# Altium PCB FPGA_PCB.PcbDoc (part 2 of 2) (continued)
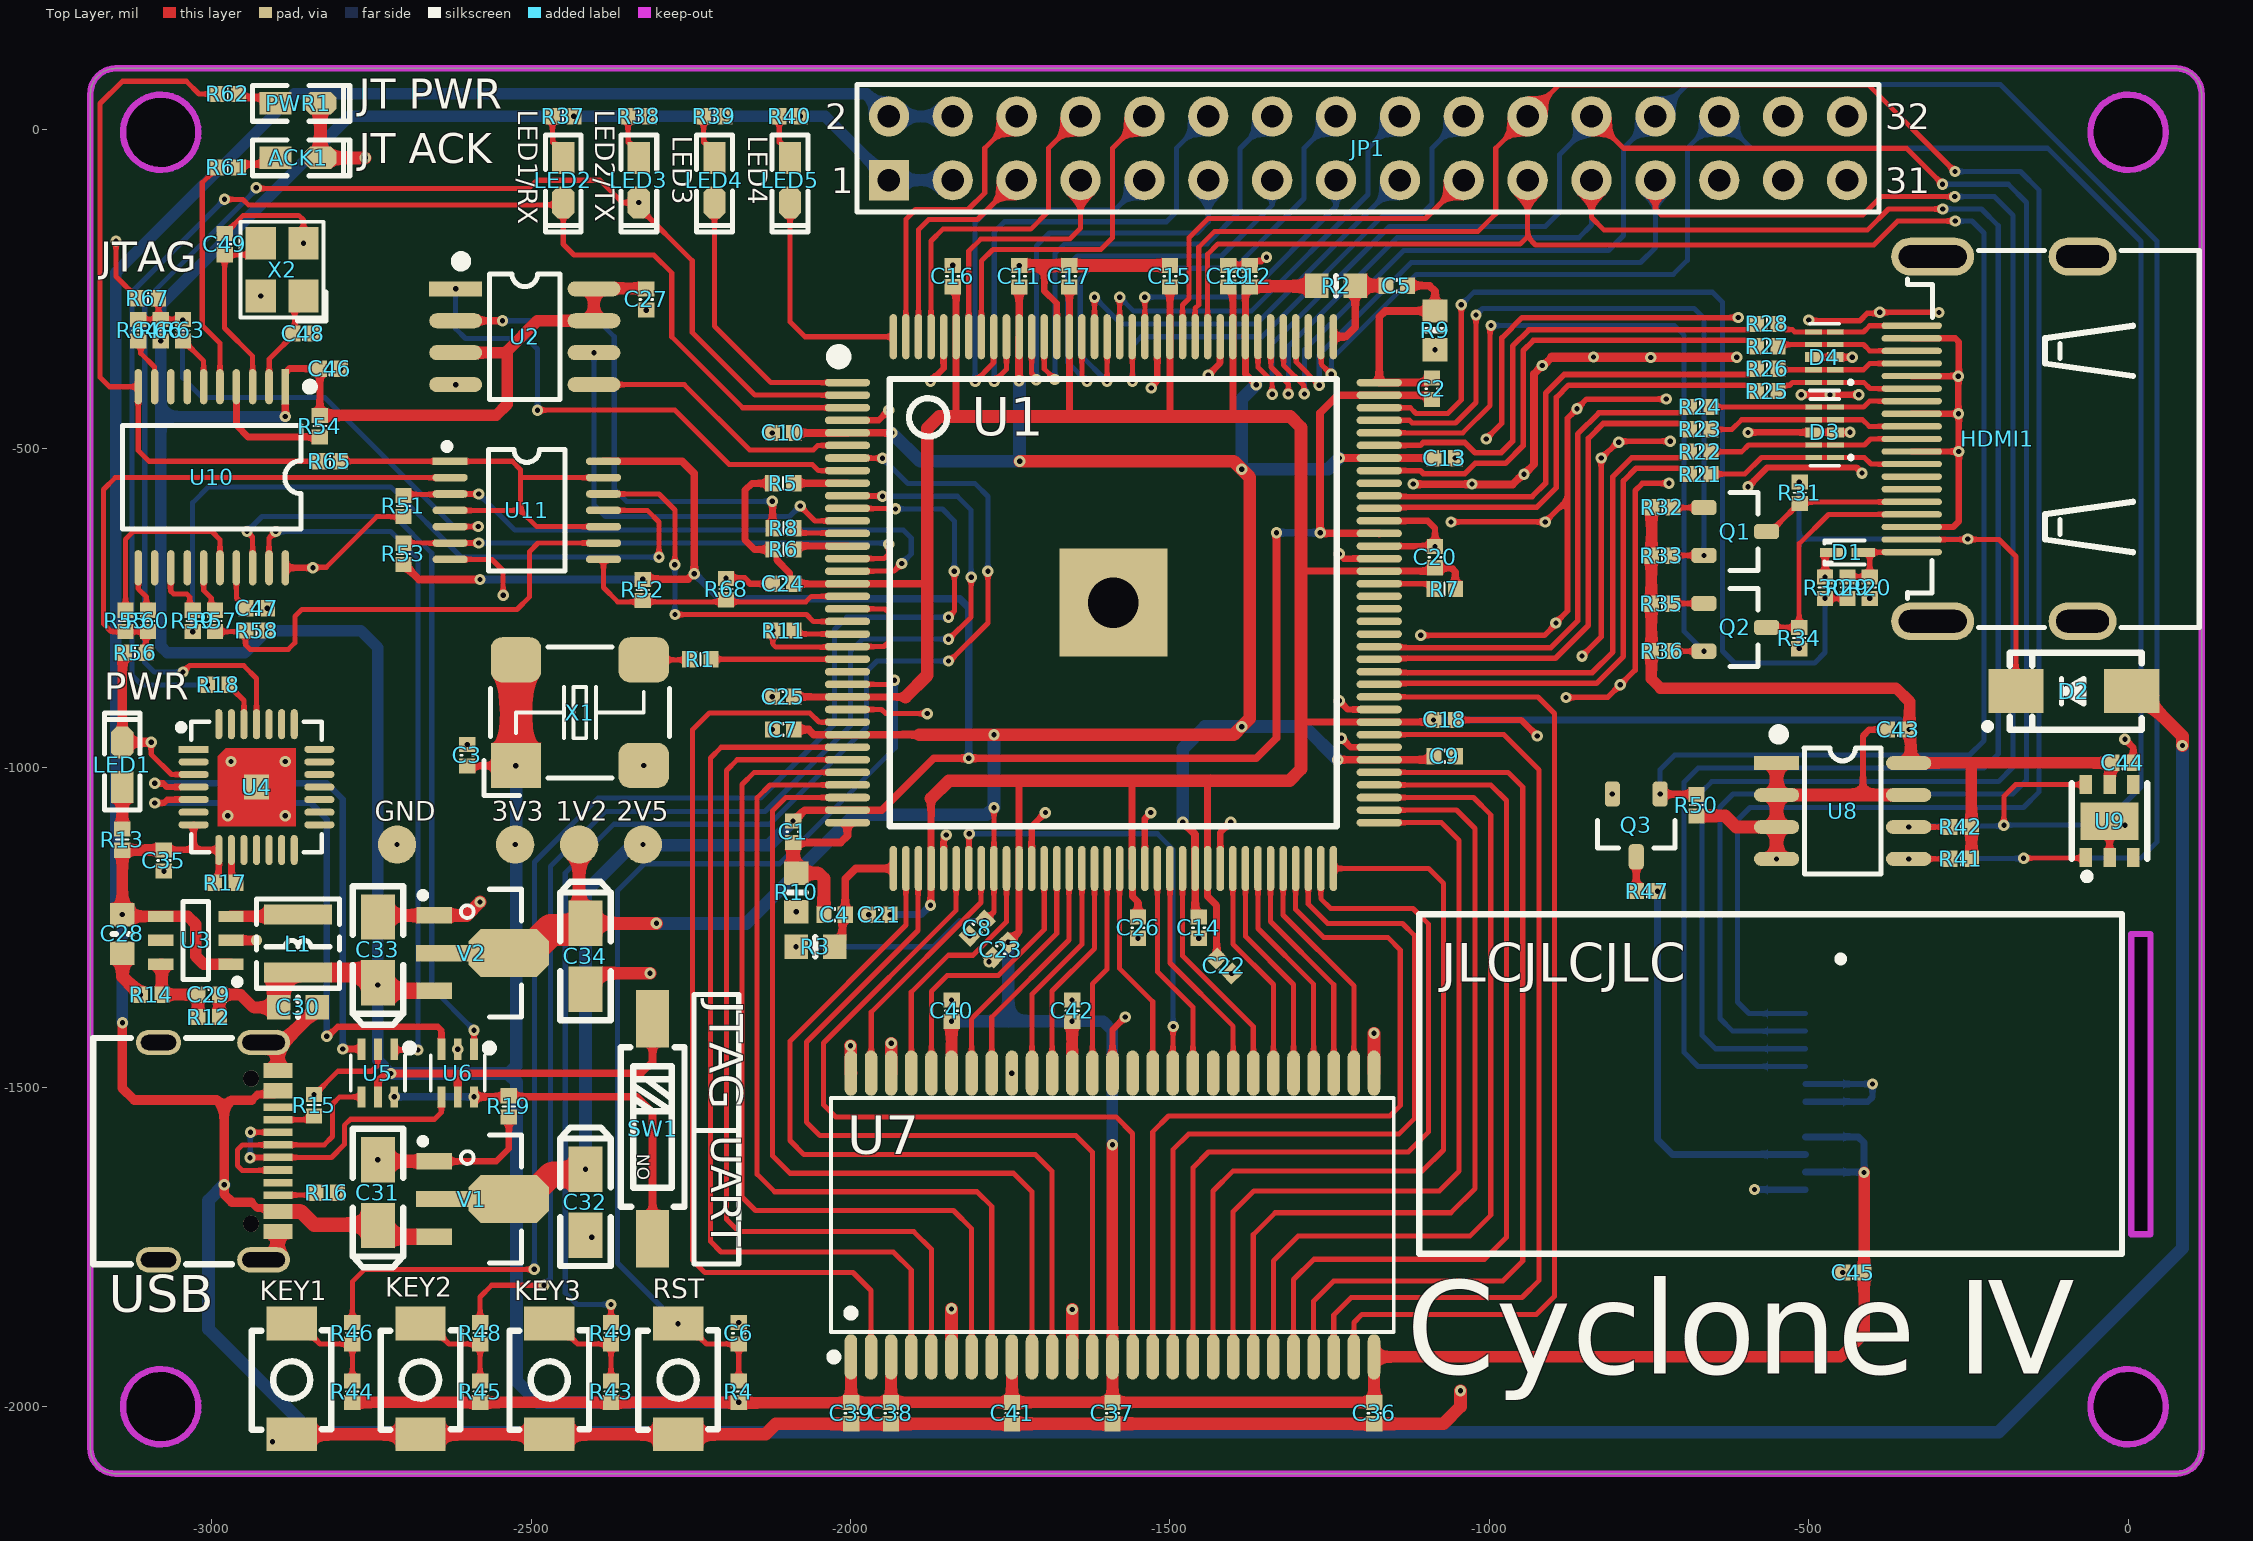
[diagram p0: Top Layer view]
## Nets (pads, with @x,y where several pads share a name; then routed paths per layer and width w, separated by ;. In a path a pad name is that pad's centre, name@x,y a point inside that pad or via, vN(x,y) a via of type N, cw(c..) or ccw(c..) an arc to the next point about the centre after c; other vN are vias at no path point) (continued)
  Top Layer w8: U11.12@-2386.75,-571.2 -2300.1,-571.2 -2275,-596.31 -2275,-681.69 v1(-2275.13,-681.82) ; v1(-2275,-760) -2069.03,-760 -2058.24,-770.79 U1.20@-2004.84,-770.79
  Bottom Layer w8: v1(-2275.13,-681.82) -2275.07,-681.89 -2275.07,-759.93 v1(-2275,-760)
JTAG_TMS: R52.1 R68.1 U1.18 U11.8 | length 438.9
  Top Layer w8: U11.8@-2386.75,-673.57 -2386.75,-717.75 -2364.5,-740 -2325,-740 -2305,-740 -2270,-740 -2070,-740 -2061.42,-731.42 U1.18@-2004.84,-731.42
LEDK: LCD1.11 R47.2 | length 629.7
  Bottom Layer w11: v1(-736.64,-1193.25) -736.64,-1581.58 -713.1,-1605.12 LCD1.11@-505,-1605.12
nCE: R11.1 U1.21 | length 83.6
  Top Layer w8: R11.1@-2088.27,-790 -2087.8,-790.47 U1.21@-2004.84,-790.47
nCONFIG: R6.2 U1.14 | length 83.5
  Top Layer w11: R6.2@-2088.08,-652.1 -2087.66,-652.52 -2005,-652.52 U1.14@-2004.84,-652.68
NetACK1_1: ACK1.1 R61.1 | length 64.5
  Top Layer w11: R61.1@-2958.27,-60 -2953.11,-54.85 -2909.85,-54.85 ACK1.1@-2900,-45
NetC4_2: C4.2 R3.2 U1.37 | length 194.9
  Top Layer w12: R3.2@-2024.68,-1280 -2012.72,-1268.04 -2012.72,-1234.45 C4.2@-2008.27,-1230 -2008.27,-1173.9 -1991.89,-1157.52 U1.37@-1933.07,-1157.52
NetC5_2: C5.2 R2.2 U1.109 | length 160.2
  Top Layer w8: R2.2@-1210,-240.32 R2.2@-1205.31,-245
  Top Layer w12: U1.109@-1244.09,-325 -1225,-325 -1210,-310 R2.2@-1210,-240.32
  Top Layer w20: R2.2@-1205.31,-245 C5.2@-1161.73,-245
NetC29_1: C29.1 R12.1 R14.2 U3.6 | length 140.8
  Top Layer w18: U3.6@-3080,-1307.4 -3078.41,-1307.4 -3078.27,-1307.54 R14.2@-3078.27,-1355 C29.1@-3021.73,-1355 R12.1@-3021.73,-1390
NetC47_2: C47.2 U10.17 | length 69.4
  Top Layer w8: U10.17@-2961.61,-686.73 -2961.61,-734.13 -2946.73,-749.02 C47.2@-2946.73,-750
NetKEY1_2: KEY1.2 R44.1 R46.1 | length 166.2
  Top Layer w8: KEY1.2@-2875,-1870 -2862.2,-1870 -2830.47,-1901.73 R46.1@-2780,-1901.73 R44.1@-2780,-1959.83
NetKEY2_2: KEY2.2 R45.1 R48.1 | length 164.6
  Top Layer w8: KEY2.2@-2673.33,-1870 -2660.54,-1870 -2628.81,-1901.73 R48.1@-2580,-1901.73 R45.1@-2580,-1959.83
NetKEY3_2: KEY3.2 R43.2 R49.1 | length 167.9
  Top Layer w8: KEY3.2@-2471.67,-1870 -2458.87,-1870 -2427.14,-1901.73 R49.1@-2375,-1901.73 R43.2@-2375,-1959.83
NetL1_2: L1.2 U3.3 | length 106.2
  Top Layer w18: U3.3@-2970,-1232.6 -2969.86,-1232.46 -2867.73,-1232.46 L1.2@-2865,-1229.72
NetLED1_1: LED1.1 R13.1 | length 65.6
  Top Layer w18: LED1.1@-3140.26,-1030 -3140.13,-1030.12 -3140.13,-1095.38 R13.1@-3140,-1095.51
NetLED2_1: LED2.1 R37.1 | length 72
  Top Layer w8: R37.1@-2466.73,20 -2466.73,-20.52 -2449.74,-37.5 LED2.1@-2449.74,-45
NetLED3_1: LED3.1 R38.1 | length 72
  Top Layer w8: R38.1@-2348.4,20 -2348.4,-20.52 -2331.41,-37.5 LED3.1@-2331.41,-45
NetLED4_1: LED4.1 R39.1 | length 72
  Top Layer w8: R39.1@-2230.07,20 -2230.07,-20.51 -2213.08,-37.5 LED4.1@-2213.08,-45
NetLED5_1: LED5.1 R40.1 | length 72
  Top Layer w8: R40.1@-2111.73,20 -2111.73,-20.51 -2094.74,-37.5 LED5.1@-2094.74,-45
NetPWR1_1: PWR1.1 R62.1 | length 64.4
  Top Layer w11: R62.1@-2958.27,55 -2952.75,49.48 -2909.22,49.48 PWR1.1@-2900,40.26
NetQ1_1: Q1.1 R32.1 | length 48.4
  Top Layer w8: R32.1@-712.25,-592.1 -711.75,-592.6 Q1.1@-664.06,-592.6
NetQ2_1: Q2.1 R35.1 | length 49.1
  Top Layer w8: R35.1@-712.99,-743.01 -712.58,-742.6 Q2.1@-664.06,-742.6
NetQ3_3: Q3.3 R47.1 | length 53.9
  Top Layer w11: Q3.3@-770,-1139.06 -769.9,-1139.15 -769.9,-1192.75 R47.1@-769.81,-1192.84
NetR1_1: R1.1 X1.3 | length 72.4
  Top Layer w8: X1.3@-2323.77,-830.83 -2252.56,-830.83 R1.1@-2251.73,-830
NetR5_2: R5.2 U1.9 | length 84.3
  Top Layer w11: R5.2@-2089.02,-554.6 -2088.82,-554.41 -2005,-554.41 U1.9@-2004.84,-554.25
NetR8_2: R8.2 U2.2 | length 795.1
  Top Layer w11: U2.2@-2618.27,-300 v1(-2545,-300) ; v1(-2122.62,-582.67) -2122.18,-583.11 -2122.18,-624.56 R8.2@-2121.73,-625
  Bottom Layer w8: v1(-2545,-300) -2395,-300 -2370,-325 -2370,-563.42 -2350.76,-582.67 v1(-2122.62,-582.67)
NetR15_2: R15.2 USB.A5 | length 59.1
  Top Layer w8: USB.A5@-2896.59,-1550.79 -2845.98,-1550.79 R15.2@-2840,-1544.81
NetR16_1: R16.1 USB.B5 | length 61.3
  Top Layer w8: USB.B5@-2896.44,-1668.75 -2840.48,-1668.75 R16.1@-2836.73,-1665
NetR17_1: R17.1 U4.9 | length 54.1
  Top Layer w10: U4.9@-2969.37,-1128.43 -2969.17,-1128.62 -2969.17,-1174.09 R17.1@-2963.27,-1180
NetR18_1: R18.1 U4.26 | length 71.3
  Top Layer w8: R18.1@-2973.27,-870 -2973.27,-870.98 -2949.69,-894.57 U4.26@-2949.69,-931.57
NetR54_2: R54.2 U10.4 | length 198.6
  Top Layer w11: U10.4@-2961.61,-403.27 -2961.61,-463.39 -2943.27,-481.73 R54.2@-2830.75,-481.73
NetR55_1: R55.1 U10.16 | length 313.2
  Top Layer w8: R55.1@-3135,-753.27 -3135,-642.19 -3122.81,-630 -2999.89,-630 -2987.2,-642.68 U10.16@-2987.2,-686.73
NetR57_1: R57.1 U10.15 | length 73.9
  Top Layer w8: U10.15@-3012.8,-686.73 -3012.8,-722.2 -3000.86,-734.14 -3000.86,-747.41 R57.1@-2995,-753.27
NetR59_1: R59.1 U10.13 | length 93.2
  Top Layer w8: U10.13@-3063.98,-686.73 -3064.71,-687.46 -3064.71,-722.9 -3059.68,-727.93 -3039.23,-727.93 -3034.54,-732.61 -3034.54,-748.72 R59.1@-3030,-753.27
NetR60_1: R60.1 U10.11 | length 72.8
  Top Layer w8: U10.11@-3115.16,-686.73 -3115,-686.89 -3115,-720 -3102.37,-732.63 -3102.37,-750.9 R60.1@-3100,-753.27
OE: R65.1 U11.1 U11.4 U11.10 U11.13 | length 731.5
  Top Layer w8: R65.1@-2798.25,-520.02 U11.1@-2626.91,-520.02 -2529.73,-520.02 -2516.54,-533.2 -2516.54,-545 ; U11.4@-2626.62,-597.08 -2516.54,-597.08 ; U11.10@-2386.75,-622.38 -2491.24,-622.38 -2516.54,-597.08 ; U11.13@-2386.75,-545.61 -2515.93,-545.61 -2516.54,-545 ; -2516.54,-597.08 -2516.54,-545
OSC1: C48.2 U10.2 X2.1 | length 165.1
  Top Layer w8: U10.2@-2910.43,-403.27 -2910,-402.83 -2910,-360 ; -2910,-359.71 -2881.08,-330.79 -2881.08,-328.8 -2874.63,-322.34 -2872.63,-322.34 -2870.29,-320 -2870.29,-275.09 X2.1@-2856.54,-261.34
OSC2: C49.2 U10.3 X2.3 | length 288.8
  Top Layer w8: U10.3@-2936.02,-403.27 -2936.02,-355.39 -2980,-311.42 C49.2@-2980,-196.73 -2941.54,-196.73 X2.3@-2923.46,-178.66
PIC_USB_DN: U6.1 U10.18 | length 1187.3
  Top Layer w8: v1(-2945,-630) -2936.02,-638.98 U10.18@-2936.02,-686.73 ; U6.1@-2589.41,-1440.55 v1(-2589.41,-1410.59)
  Bottom Layer w8: v1(-2945,-630) -2921.51,-606.51 -2713.11,-606.51 -2655.64,-663.98 -2655.64,-1344.36 v1(-2589.41,-1410.59)
PIC_USB_DP: U5.1 U10.19 | length 1107.6
  Top Layer w8: U10.19@-2910.43,-686.73 -2910.43,-640.43 v1(-2900,-630) ; U5.1@-2714.41,-1440.55 -2713.39,-1441.57 v1(-2677.5,-1441.57)
  Bottom Layer w8: v1(-2900,-630) -2719.97,-630 -2677.5,-672.47 v1(-2677.5,-1441.57)
RB7: R62.2 R65.2 U10.10 | length 1090.1
  Top Layer w8: R62.2@-2992.4,55 -3020,55 -3040,75 -3140,75 -3175,40 -3175,-388.62 -3160.35,-403.27 U10.10@-3115.16,-403.27 -3115.16,-503.03 -3098.19,-520 R65.2@-2831.73,-520
RC4: R63.1 U10.6 | length 85.5
  Top Layer w8: R63.1@-3045,-331.73 -3044.02,-331.73 -3012.8,-362.95 U10.6@-3012.8,-403.27
RC7: R64.1 U10.9 | length 82.1
  Top Layer w8: R64.1@-3115,-331.73 -3111.19,-335.54 -3111.19,-350.86 -3089.66,-372.39 -3089.66,-403.17 U10.9@-3089.57,-403.27
SGM_SEL: R19.2 SW1.1 U5.6 U6.6 | length 612
  Top Layer w12: v1(-2589.41,-1515) -2335,-1515 -2310,-1540 SW1.1@-2310,-1737.24
  Bottom Layer w12: v1(-2714.41,-1515) v1(-2589.41,-1515)
USB_5V: C28.1 C31.1 C35.1 D2.1 JP1.2 JP1.4 R13.2 R17.2 U3.1 U3.4 U4.7 U4.8 USB.A4B9 USB.B4A9 V1.3 | length 8472.6
  Top Layer w10: C35.1@-3074.77,-1128.43 -3028.43,-1128.43 ; U4.7@-3028.43,-1089.06 -3028.43,-1128.43 ; R17.2@-2996.73,-1180 -2996.73,-1179.02 -2989.06,-1171.34 U4.8@-2989.06,-1128.43 -3028.43,-1128.43
  Top Layer w12: -2938.23,-1679.92 -2929.48,-1688.68 -2902.4,-1688.68 USB.B4A9@-2896.59,-1694.49 ; -2937.28,-1520.23 -2928.37,-1511.32 -2902.4,-1511.32 USB.A4B9@-2896.59,-1505.51
  Top Layer w15: v1(-3139.75,-1398.91) -3140.27,-1399.43 -3140.27,-1501.11 -3121.41,-1519.98 -2992.15,-1519.98 -2980.78,-1531.35 ; -2938.23,-1679.92 -2968.33,-1679.92 -2980.78,-1667.47 -2980.78,-1531.35 ; -2937.28,-1520.23 -2969.66,-1520.23 -2980.78,-1531.35
  Top Layer w18: R13.2@-3139.22,-1129.11 R13.2@-3140,-1129.89 ; C35.1@-3075,-1128.27 -3075.35,-1128.62 -3139.65,-1128.62 R13.2@-3140,-1128.98 R13.2@-3140,-1129.89 ; U3.1@-2970,-1307.4 -3012.6,-1307.4 -3025,-1295 -3025,-1245 -3037.4,-1232.6 U3.4@-3080,-1232.6 -3080.14,-1232.46 -3137.23,-1232.46 v1(-3140,-1229.68) R13.2@-3140,-1129.89 ; C31.1@-2757.57,-1715 -2738.52,-1734.06 C31.1@-2737.52,-1734.06
  Top Layer w20: D2.1@5.55,-880 14.41,-880 85,-950.59 v1(85,-965)
  Top Layer w23: USB.B4A9@-2896.59,-1694.49 -2896.28,-1694.8 -2859.74,-1694.8 -2839.54,-1715 C31.1@-2757.57,-1715
  Top Layer w25: C31.1@-2737.52,-1734.06 V1.3@-2661.87,-1734.06
  Bottom Layer w18: v1(-3139.75,-1398.91) -3140,-1398.66 v1(-3140,-1229.68) -3150.74,-1218.94 -3150.74,-225.03 -2870.71,55 -1975,55 JP1.2@-1940,20 JP1.4@-1840,20
  Bottom Layer w20: v1(-2980.73,-1652.59) -3005.19,-1677.06 -3005.19,-1878.68 -2843.87,-2040 -203.04,-2040 85,-1751.96 v1(85,-965)
USB_DN: U6.4 USB.A7 USB.B7 | length 453.6
  Top Layer w8: v1(-2940.16,-1610.16) -2940,-1610 -2896.75,-1610 USB.A7@-2896.59,-1609.84 -2812.67,-1609.84 -2792.51,-1589.69 -2792.51,-1559.57 -2782.95,-1550 -2651.53,-1550 -2640.57,-1539.05 U6.4@-2640.59,-1515 ; v1(-2939.53,-1570.47) USB.B7@-2896.59,-1570.47
  Bottom Layer w8: v1(-2940.16,-1610.16) -2939.85,-1609.84 -2939.85,-1570.79 v1(-2939.53,-1570.47)
USB_DP: U5.4 USB.A6 USB.B6 | length 349.8
  Top Layer w8: USB.B6@-2896.59,-1629.53 -2897.06,-1630 -2952.63,-1630 -2960,-1622.63 -2960,-1598.15 -2952.01,-1590.16 USB.A6@-2896.59,-1590.16 -2824.03,-1590.16 -2811.05,-1577.18 -2811.05,-1526.33 -2799.72,-1515 U5.4@-2765.59,-1515
VCC_1V2: C7.2 C8.2 C9.2 C10.2 C11.2 C12.2 C13.2 C14.2 C34.1 pad.4 R2.1 R3.1 U1.5 U1.29 U1.45 U1.61 U1.78 U1.102 U1.116 U1.134 V2.2 | length 5141
  Top Layer w8: C8.2@-1793.17,-1243.17 -1775.59,-1225.59 U1.45@-1775.59,-1157.52 -1775.54,-1157.47 v1(-1775.49,-1062.26) v1(-1775.49,-1062.26)
  Top Layer w11: U1.116@-1381.98,-324.91 C12.2@-1381.98,-247.17 ; U1.116@-1381.89,-325 -1381.89,-383.11 v1(-1365,-400)
  Top Layer w12: C7.2@-2089.02,-940 -2065.48,-940 -2057.53,-947.95 U1.29@-2004.84,-947.95 -1892.05,-947.95 ; C10.2@-2089.02,-475.7 -2088.92,-475.61 -2004.94,-475.61 U1.5@-2004.84,-475.51 v1(-1935.51,-475.51) ; v1(-1736.22,-393.78) U1.134@-1736.22,-325 -1736.13,-324.91 -1736.13,-246.98 C11.2@-1735.88,-246.73 ; v1(-1480,-1085) -1460.72,-1104.28 -1460.72,-1157.43 U1.61@-1460.63,-1157.52 -1460.54,-1157.61 -1460.54,-1227.35 C14.2@-1457.75,-1230.14 ; U1.116@-1381.98,-324.91 U1.116@-1381.89,-325 ; v1(-1237.32,-987.32) U1.78@-1172.32,-987.32 -1172.23,-987.23 -1091.97,-987.23 C9.2@-1086.73,-981.99 ; v1(-1235,-515) -1234.88,-514.88 U1.102@-1172.32,-514.88 U1.102@-1172.32,-514.88 -1086.79,-514.94 C13.2@-1086.73,-515
  Top Layer w20: pad.4@-2425,-1120 -2425,-1228.43 -2413.43,-1240 -2410,-1243.43 v1(-2303.99,-1243.43) ; -1892.05,-947.95 -1775.5,-947.95 v1(-1775.38,-948.07) -1400.26,-948.07 v1(-1387.57,-935.38) -1375,-922.81 -1375,-545 v1(-1387.5,-532.5) -1400,-520 v1(-1735,-520) ; C12.2@-1375,-246.86 -1374.07,-245.93 -1271.25,-245.93 R2.1@-1270.31,-245
  Top Layer w50: V2.2@-2535,-1290 -2505.35,-1290 -2469.21,-1253.86 -2416.57,-1253.86 -2415,-1252.28 C34.1@-2415,-1243.43 -2415,-1241.57 C34.1@-2413.43,-1240
  Bottom Layer w8: v1(-2085.31,-1280) -1870.11,-1280 -1829.39,-1239.28 v1(-1789.8,-1239.28)
  Bottom Layer w20: v1(-2303.99,-1243.43) -2163.43,-1243.43 -1993.47,-1073.47 -1786.7,-1073.47 v1(-1775.49,-1062.26) -1775.49,-948.18 v1(-1775.38,-948.07) ; v1(-1935.51,-475.51) -1891.02,-520 v1(-1735,-520) -1735.61,-519.39 -1735.61,-394.39 v1(-1736.22,-393.78) ; v1(-1480,-1085) -1480,-970 -1445.38,-935.38 v1(-1387.57,-935.38) -1289.26,-935.38 v1(-1237.32,-987.32) ; v1(-1365,-400) -1387.5,-422.5 v1(-1387.5,-532.5) -1252.5,-532.5 v1(-1235,-515)
VCC_2V5: C1.2 C2.2 C32.1 pad.5 R52.2 R53.2 U1.35 U1.96 U1.107 U11.14 V1.2 | length 4081.6
  Top Layer w8: v1(-2090,-1083.27) C1.2@-2089.02,-1083.27
  Top Layer w11: U1.107@-1172.17,-416.61 -1095.12,-416.61 C2.2@-1090,-421.73
  Top Layer w12: R53.2@-2700,-681.73 -2699.02,-681.73 -2675.75,-705 v1(-2580,-705) ; U11.14@-2386.75,-520.02 -2263.86,-520.02 -2244.71,-539.17 v1(-2244.71,-695.89) -2245.72,-695.89 -2254.6,-704.77 v1(-2325.17,-704.77) ; C1.2@-2089.02,-1083.27 -2071.81,-1066.06 U1.35@-2004.84,-1066.06 -1951.06,-1066.06 -1870,-985 v1(-1815,-985) -1365,-985 -1333.29,-953.29 v1(-1333.29,-631.7) ; U1.96@-1172.32,-632.99 -1172.42,-632.9 -1263.77,-632.9 v1(-1264.82,-631.85) -1265,-631.67 -1265,-444.31 -1237.3,-416.61 U1.107@-1172.17,-416.61
  Top Layer w40: V1.2@-2535,-1675 -2506.87,-1675 -2468.58,-1636.71 -2416.57,-1636.71 -2415,-1635.13 v1(-2415,-1628.43)
  Bottom Layer w12: v1(-2580,-705) v1@-2325,-705 ; v1(-2244.71,-695.89) -2244.11,-695.89 -2205,-735 -1829.09,-735 -1815,-749.09 v1(-1815,-985) ; v1(-1333.29,-631.7) -1333.21,-631.77 -1264.9,-631.77 v1(-1264.82,-631.85)
  Bottom Layer w20: v1(-2415,-1628.43) -2415,-1193.85 -2342.44,-1121.29 -2128.02,-1121.29 v1(-2090,-1083.27)
  other v1: -2325,-1120
VCC_3V3: C3.2 C15.2 C16.2 C17.2 C18.2 C19.2 C20.2 C21.2 C22.2 C23.2 C24.2 C25.2 C26.2 C27.2 C29.2 C30.2 C33.1 C36.2 C37.2 C38.2 C39.2 C40.2 C41.2 C42.2 C43.2 C44.2 C45.2 C46.1 JP1.1 JP1.3 L1.1 LCD1.10 LCD1.12 pad.3 R4.2 R5.1 R6.1 R7.1 R12.2 R32.2 R33.2 R35.2 R36.2 R37.2 R38.2 R39.2 R40.2 R41.1 R42.1 R43.1 R44.2 R45.2 R54.1 R58.2 R66.2 SW1.2 U1.17 U1.26 U1.40 U1.47 U1.56 U1.62 U1.81 U1.93 U1.117 U1.122 U1.130 U1.139 U2.3 U2.7 U2.8 U5.5 U6.5 U7.1 U7.3 U7.9 U7.14 U7.27 U7.43 U7.49 U8.8 U9.5 U10.1 V2.3 X1.1 X1.4 | length 18334.6
  Top Layer w11: v1(-2885,-450) -2884.84,-449.84 U10.1@-2884.84,-403.27 -2884.84,-381.61 -2878.23,-375 C46.1@-2831.73,-375 -2830.75,-375.98 R54.1@-2830.75,-448.27 ; C3.2@-2600,-996.73 v1(-2524.32,-996.73) ; R5.1@-2122.48,-554.6 -2154.6,-554.6 -2165,-565 -2165,-643.28 -2150.27,-658 R6.1@-2121.73,-658 -2115.42,-664.32 -2115.42,-674.87 -2095.33,-694.96 -2095.33,-705.48 C24.2@-2089.02,-711.79 ; C25.2@-2088.98,-888.86 U1.26@-2004.88,-888.86 ; C24.2@-2089.02,-711.79 -2004.87,-711.76 -1881.73,-711.73 -1880,-710 ; U1.26@-2004.84,-888.9 -1913.81,-888.9 ; v1(-1875,-1215) -1874.17,-1214.17 -1874.17,-1157.67 U1.40@-1874.02,-1157.52 -1874.02,-1047.89 ; -1835,-450 -1834.65,-449.65 U1.139@-1834.65,-325 -1834.8,-324.84 -1834.8,-247.06 C16.2@-1835,-246.86 ; v1(-1753.17,-1273.17) -1736.22,-1256.22 U1.47@-1736.22,-1157.52 -1736.22,-1021.22 -1735,-1020 ; U1.130@-1657.48,-325 -1657.48,-447.52 -1655,-450 ; U1.130@-1657.48,-325 C17.2@-1657.46,-246.89 ; -1560,-1020 -1559.06,-1020.94 U1.56@-1559.06,-1157.52 -1558.9,-1157.67 -1558.9,-1201.1 -1550,-1210 C26.2@-1550,-1233.27 ; -1505,-450 -1500,-445 U1.122@-1500,-325 C15.2@-1500,-246.86 ; -1436.4,-1020 -1440.94,-1024.55 U1.62@-1440.94,-1157.52 -1440.94,-1200.97 -1426.83,-1215.09 -1426.83,-1287.85 -1426.14,-1288.55 -1426.83,-1289.24 C22.2@-1426.83,-1298.17 ; C19.2@-1410,-246.73 -1409.02,-246.73 -1401.57,-254.17 U1.117@-1401.57,-325 -1401.57,-448.43 -1400,-450 ; -1294.64,-930 -1292.91,-928.27 U1.81@-1172.32,-928.27 -1172.17,-928.11 -1089.84,-928.11 C18.2@-1086.73,-925 ; -1294.64,-690 -1292.59,-692.05 U1.93@-1172.32,-692.05 -1172.23,-691.95 -1086.83,-691.95 C20.2@-1086.73,-691.85 ; C20.2@-1085,-686.73 -1059.71,-686.73 -1053.27,-693.18 R7.1@-1053.27,-720 ; v1(-413.35,-1633.3) v1(-413.35,-1633.3) ; C45.2@-413.27,-1790 C45.2@-413.27,-1790
  Top Layer w12: U5.5@-2740,-1515 -2739.8,-1514.8 -2739.8,-1490.9 -2728.49,-1479.58 -2720.45,-1479.58 v1(-2719.36,-1478.49) -2616.51,-1478.49 -2615,-1480 ; U6.5@-2615,-1515 -2615,-1480 ; SW1.2@-2310,-1392.76 -2310,-1460 -2328.2,-1478.2 -2615,-1478.2 -2615,-1480
  Top Layer w18: R12.2@-2988.27,-1390 C29.2@-2988.27,-1355 -2955,-1355 -2935,-1375 C30.2@-2895.32,-1375 ; L1.1@-2895.32,-1327.02 -2888.57,-1320.28 L1.1@-2865,-1320.28 ; R54.1@-2830.75,-448.27 -2555.06,-448.27 -2537.51,-430.71 -2537.51,-347.22 ; R44.2@-2780,-1993.3 R45.2@-2580,-1993.3 R43.1@-2375,-1993.3 v1(-2175,-1993.3) ; C33.1@-2756.3,-1320.28 C33.1@-2740,-1336.57 C33.1@-2727.52,-1349.06 ; U2.3@-2618.27,-350 -2540.3,-350 -2537.51,-347.22 ; C27.2@-2320,-248.27 -2320.87,-249.13 -2400.87,-249.13 U2.8@-2401.73,-250 U2.7@-2401.73,-300 -2490.3,-300 -2537.51,-347.22 ; R4.2@-2172.58,-1994.05 C39.2@-1999.86,-1994.05 ; U7.1@-1999.29,-1922.29 -1999.29,-1993.05 C39.2@-1999.07,-1993.27 C38.2@-1936.59,-1993.27 ; U7.3@-1936.46,-1922.13 -1936.53,-1922.2 -1936.53,-1993.2 C38.2@-1936.59,-1993.27 ; U7.49@-1841.97,-1477.87 -1841.92,-1477.82 -1841.92,-1396.78 v1(-1841.87,-1396.73) ; U7.9@-1747.48,-1922.13 -1747.36,-1922.25 -1747.36,-1993.15 C41.2@-1747.25,-1993.27 ; v1(-1653.19,-1396.73) -1653.09,-1396.83 -1653.09,-1477.77 U7.43@-1652.99,-1477.87 ; v1(-1590,-1590) U7.14@-1590,-1922.13 C37.2@-1590,-1993.27 ; R36.2@-746.07,-817.09 R36.2@-746.26,-816.9 ; R32.2@-745.71,-592.1 -746.07,-592.46 -746.07,-667.7 R33.2@-746.43,-668.06 -746.43,-671.84 -746.44,-707.86 -746.46,-742.35 -746.26,-742.55 R36.2@-746.26,-816.9 ; C45.2@-413.27,-1790 v1(-413.35,-1633.3) ; C45.2@-413.27,-1790 -413.27,-1885 -450.4,-1922.13 U7.27@-1180.55,-1922.13 -1180.28,-1922.4 -1180.28,-1992.99 C36.2@-1180,-1993.27 C37.2@-1590,-1993.27 ; U8.8@-343.58,-992.5 -341.89,-992.5 U8.8@-340.2,-990.82 ; C43.2@-342.04,-939.16 -342.04,-896.38 -363.42,-875 -732.09,-875 -746.26,-860.83 R36.2@-746.26,-816.9 ; C43.2@-341.2,-940 C43.2@-340.46,-940 ; C43.2@-340.2,-940 U8.8@-340.2,-990.82 ; R41.1@-245.2,-1142.5 -245.2,-994.8 -247.82,-992.18 ; U9.5@-29.05,-1026.2 -28.2,-1025.36 C44.2@-28.2,-990.69 ; C44.2@-28.2,-995.69 -25.67,-993.16 C44.2@-25.67,-992.18 ; C44.2@-25.35,-991.85 C44.2@-25.67,-992.18 ; C38.2@-1936.59,-1993.27 C41.2@-1747.25,-1993.27 ; C41.2@-1747.25,-1993.27 C37.2@-1590,-1993.27 ; U8.8@-340.2,-990.82 -338.84,-992.18 -247.82,-992.18 ; -247.82,-992.18 C44.2@-25.67,-992.18
  Top Layer w20: v1(-2524.32,-996.73) -2523.97,-996.38 X1.1@-2523.56,-996.38 ; -1913.81,-888.9 -1880,-855.09 -1880,-710 -1880,-468.82 -1861.18,-450 -1835,-450 -1655,-450 -1505,-450 -1400,-450 -1311.69,-450 -1294.64,-467.05 -1294.64,-690 -1294.64,-930 -1294.64,-1001.85 -1312.79,-1020 -1436.4,-1020 -1560,-1020 -1735,-1020 -1846.13,-1020 -1874.02,-1047.89 ; C25.2@-2089.02,-888.83 C25.2@-2088.98,-888.86
  Top Layer w25: C33.1@-2727.52,-1349.06 V2.3@-2651.87,-1349.06
  Top Layer w30: L1.1@-2865,-1320.28 C33.1@-2756.3,-1320.28
  Top Layer w35: C30.2@-2895.32,-1375 L1.1@-2895.32,-1327.02
  Top Layer w50: X1.1@-2523.76,-996.18 X1.4@-2523.77,-830.83
  Bottom Layer w11: v1(-1938,-1229.89) -1889.89,-1229.89 v1(-1875,-1215) ; v1(-1087.26,-924.98) -357.92,-924.98 v1(-342.9,-940.01) ; LCD1.12@-505,-1632.68 -504.69,-1632.99 -413.66,-1632.99 v1(-413.35,-1633.3) -413.27,-1633.22 -413.27,-1586.73 -422.44,-1577.56 LCD1.10@-505,-1577.56
  Bottom Layer w18: v1(-2885,-450) -3080,-450 ; v1(-2719.36,-1478.49) -2740,-1457.85 -2740,-811.68 -2766.68,-785 v1(-2913.27,-785) -2948.27,-820 -3069.46,-820 -3080,-809.46 -3080,-450 ; v1@-2080,20 -2785,20 -3080,-275 v1(-3080,-331.73) -3080,-450 ; v1(-2078.27,20) -2040,20 JP1.1@-1940,-80 JP1.3@-1840,-80 ; JP1.3@-1830,-70 JP1.3@-1820,-80 ; v1(-1653.19,-1396.73) -1604.59,-1396.73 -1590,-1411.33 v1(-1590,-1590)
  Bottom Layer w20: v1(-2719.36,-1478.49) -2719.24,-1478.37 -2535.28,-1478.37 ; v1(-2524.32,-996.73) -2523.56,-997.49 -2523.56,-1466.65 -2535.28,-1478.37 ; v1(-2175,-1993.3) -2489.76,-1993.3 -2523.16,-1959.91 -2523.16,-1491.84 -2535.28,-1479.72 -2535.28,-1478.37 ; v1(-1841.87,-1396.73) -1753.17,-1396.73 ; v1(-1753.17,-1273.17) -1753.17,-1396.73 ; v1(-1653.19,-1396.73) -1753.17,-1396.73
  other v1: -2740,-1340 -2525,-1120 -2433.27,20 -2314.93,20 -2196.6,20
pads on no net: HDMI1.13 HDMI1.14 LCD1.1 LCD1.2 LCD1.9 U3.5 U4.1 U4.2 U4.6 U4.10 U4.11 U4.12 U4.13 U4.14 U4.15 U4.16 U4.17 U4.18 U4.19 U4.20 U4.21 U4.22 U4.23 U4.24 U4.27 U4.28 U7.36 U7.40 U9.3 U9.4 U10.7 U10.8 U10.12 U10.14 USB. USB.A8 USB.B8

## Polygon pours and split planes (outlines as drawn)
GND on GND01 (split plane): 81.25,74.16 84.76,72.71 87.92,70.6 90.6,67.92 92.71,64.76 94.16,61.25 94.9,57.53 94.9,55.63 94.9,-2065.63 94.9,-2067.53 94.16,-2071.25 92.71,-2074.76 90.6,-2077.92 87.92,-2080.6 84.76,-2082.71 81.25,-2084.16 77.53,-2084.9 75.63,-2084.9 -3150.63,-2084.9 -3152.53,-2084.9 -3156.25,-2084.16 -3159.76,-2082.71 -3162.92,-2080.6 -3165.6,-2077.92 -3167.71,-2074.76 -3169.16,-2071.25 -3169.9,-2067.53 -3169.9,-2065.63 -3169.9,55.63 -3169.9,57.53 -3169.16,61.25 -3167.71,64.76 -3165.6,67.92 -3162.92,70.6 -3159.76,72.71 -3156.25,74.16 -3152.53,74.9 77.53,74.9
GND on GND02 (split plane): 81.25,74.16 84.76,72.71 87.92,70.6 90.6,67.92 92.71,64.76 94.16,61.25 94.9,57.53 94.9,55.63 94.9,-2065.63 94.9,-2067.53 94.16,-2071.25 92.71,-2074.76 90.6,-2077.92 87.92,-2080.6 84.76,-2082.71 81.25,-2084.16 77.53,-2084.9 75.63,-2084.9 -3150.63,-2084.9 -3152.53,-2084.9 -3156.25,-2084.16 -3159.76,-2082.71 -3162.92,-2080.6 -3165.6,-2077.92 -3167.71,-2074.76 -3169.16,-2071.25 -3169.9,-2067.53 -3169.9,-2065.63 -3169.9,55.63 -3169.9,57.53 -3169.16,61.25 -3167.71,64.76 -3165.6,67.92 -3162.92,70.6 -3159.76,72.71 -3156.25,74.16 -3152.53,74.9 77.53,74.9

## Keep-outs
Keep-Out Layer:
  circle w10: c-3080,-5 r59.06
  circle w10: c0,-2000 r59.06
  circle w10: c0,-5 r59.06
  circle w10: c-3080,-2000 r59.06
  lines w10: -3190,-2065.63 ccw(c-3150.63,-2065.63) -3150.63,-2105 75.63,-2105 ccw(c75.63,-2065.63) 115,-2065.63 115,55.63 ccw(c75.63,55.63) 75.63,95 -3130,95 -3150.63,95 ccw(c-3150.63,55.63) -3190,55.63 -3190,-2065.63 ; 5,-1730 35,-1730 35,-1260 5,-1260 5,-1730

## Other copper
Top Layer:
  pour cut-out: -1130,-590 -845,-590 -845,-776.71 -888.29,-820 -1140,-820
  pour cut-out: -1960,-375 -1225,-375 -1225,-1100 -1955,-1100 -1960,-1095

## Silkscreen, mask and mechanical layers (free items; w line width, h text height)
Top Overlay:
  lines w8: -2245,-1567.5 -2175,-1567.5 ; -2245,-1776.39 -2245,-1355 -2175,-1355 -2175,-1776.39 -2245,-1776.39
  text "LED1/RX" at -2520,30 h30 r270
  text "LED2/TX" at -2400,30 h30 r270
  text "JT PWR" at -2770,16.11 h80
  text "LED3" at -2278.33,-10 h30 r270
  text "LED4" at -2160,-10 h30 r270
  text "JT ACK" at -2770,-68.89 h80
  text "JTAG" at -3175,-238.89 h80
  text "PWR" at -3168,-893 h42
  text "GND" at -2745,-1082.98 h30
  text "3V3" at -2561.93,-1082.98 h30
  text "1V2" at -2461.46,-1082.98 h30
  text "2V5" at -2365.99,-1082.98 h30
  text "JLCJLCJLC" at -1075,-1335 h60
  text "JTAG" at -2237.82,-1364.9 h90 r270
  text "UART" at -2233.89,-1575 h80 r270
  text "Cyclone Ⅳ" at -1130,-1996.17 h250
Bottom Overlay:
  lines w8: -1990,-352.5 -390,-352.5 ; -1890,-565 -1890,-140 ; -1790,-565 -1790,-140 ; -1690,-565 -1690,-140 ; -1590,-565 -1590,-140 ; -1490,-565 -1490,-140 ; -1390,-565 -1390,-140 ; -1290,-565 -1290,-140 ; -1190,-565 -1190,-140 ; -1090,-565 -1090,-140 ; -990,-565 -990,-140 ; -890,-565 -890,-140 ; -790,-565 -790,-140 ; -690,-565 -690,-140 ; -590,-565 -590,-140 ; -490,-565 -490,-140 ; -1990,-565 -1990,-140 -390,-140 -390,-565 -1990,-565
  text "GND" at -410,-165 h60 r90
  text "GND" at -512.58,-167.76 h60 r90
  text "143" at -1710,-170 h60 r90
  text "141" at -1610,-170 h60 r90
  text "137" at -1510,-170 h60 r90
  text "135" at -1410,-170 h60 r90
  text "132" at -1310,-170 h60 r90
  text "127" at -1210,-170 h60 r90
  text "126" at -1110,-170 h60 r90
  text "125" at -1010,-170 h60 r90
  text "120" at -910,-170 h60 r90
  text "115" at -810,-170 h60 r90
  text "113" at -710,-170 h60 r90
  text "110" at -610,-170 h60 r90
  text "5V" at -1915,-195 h60 r90
  text "5V" at -1810,-195 h60 r90
  text "3V3" at -1910,-380 h60 r90
  text "3V3" at -1810,-380 h60 r90
  text "GND" at -610,-380 h60 r90
  text "GND" at -510,-380 h60 r90
  text "GND" at -410,-380 h60 r90
  text "142" at -1710,-385 h60 r90
  text "138" at -1610,-385 h60 r90
  text "136" at -1510,-385 h60 r90
  text "133" at -1410,-385 h60 r90
  text "129" at -1310,-385 h60 r90
  text "124" at -1210,-385 h60 r90
  text "128" at -1110,-385 h60 r90
  text "121" at -1010,-385 h60 r90
  text "119" at -910,-385 h60 r90
  text "114" at -810,-385 h60 r90
  text "112" at -710,-385 h60 r90

## Text inside footprints (layer, text, board x,y; h text height)
JP1: Top Overlay "2" at -2040,0 h40; Top Overlay "1" at -2030,-100 h40; Top Overlay "31" at -380,-100 h40; Top Overlay "32" at -380,0 h40
SW1: Top Overlay "ON" at -2314.19,-1645.81 h19.47 r90